# KiCad board BAGEL-MK1.1-revA.kicad_pcb
title: BAGEL Switch MK1.1; date: 2026-01-25; rev: Avocado; company: Illinois Space Society; note: Contributors: Thomas McManamen, Lucas Lessard, Chethan Karandikar
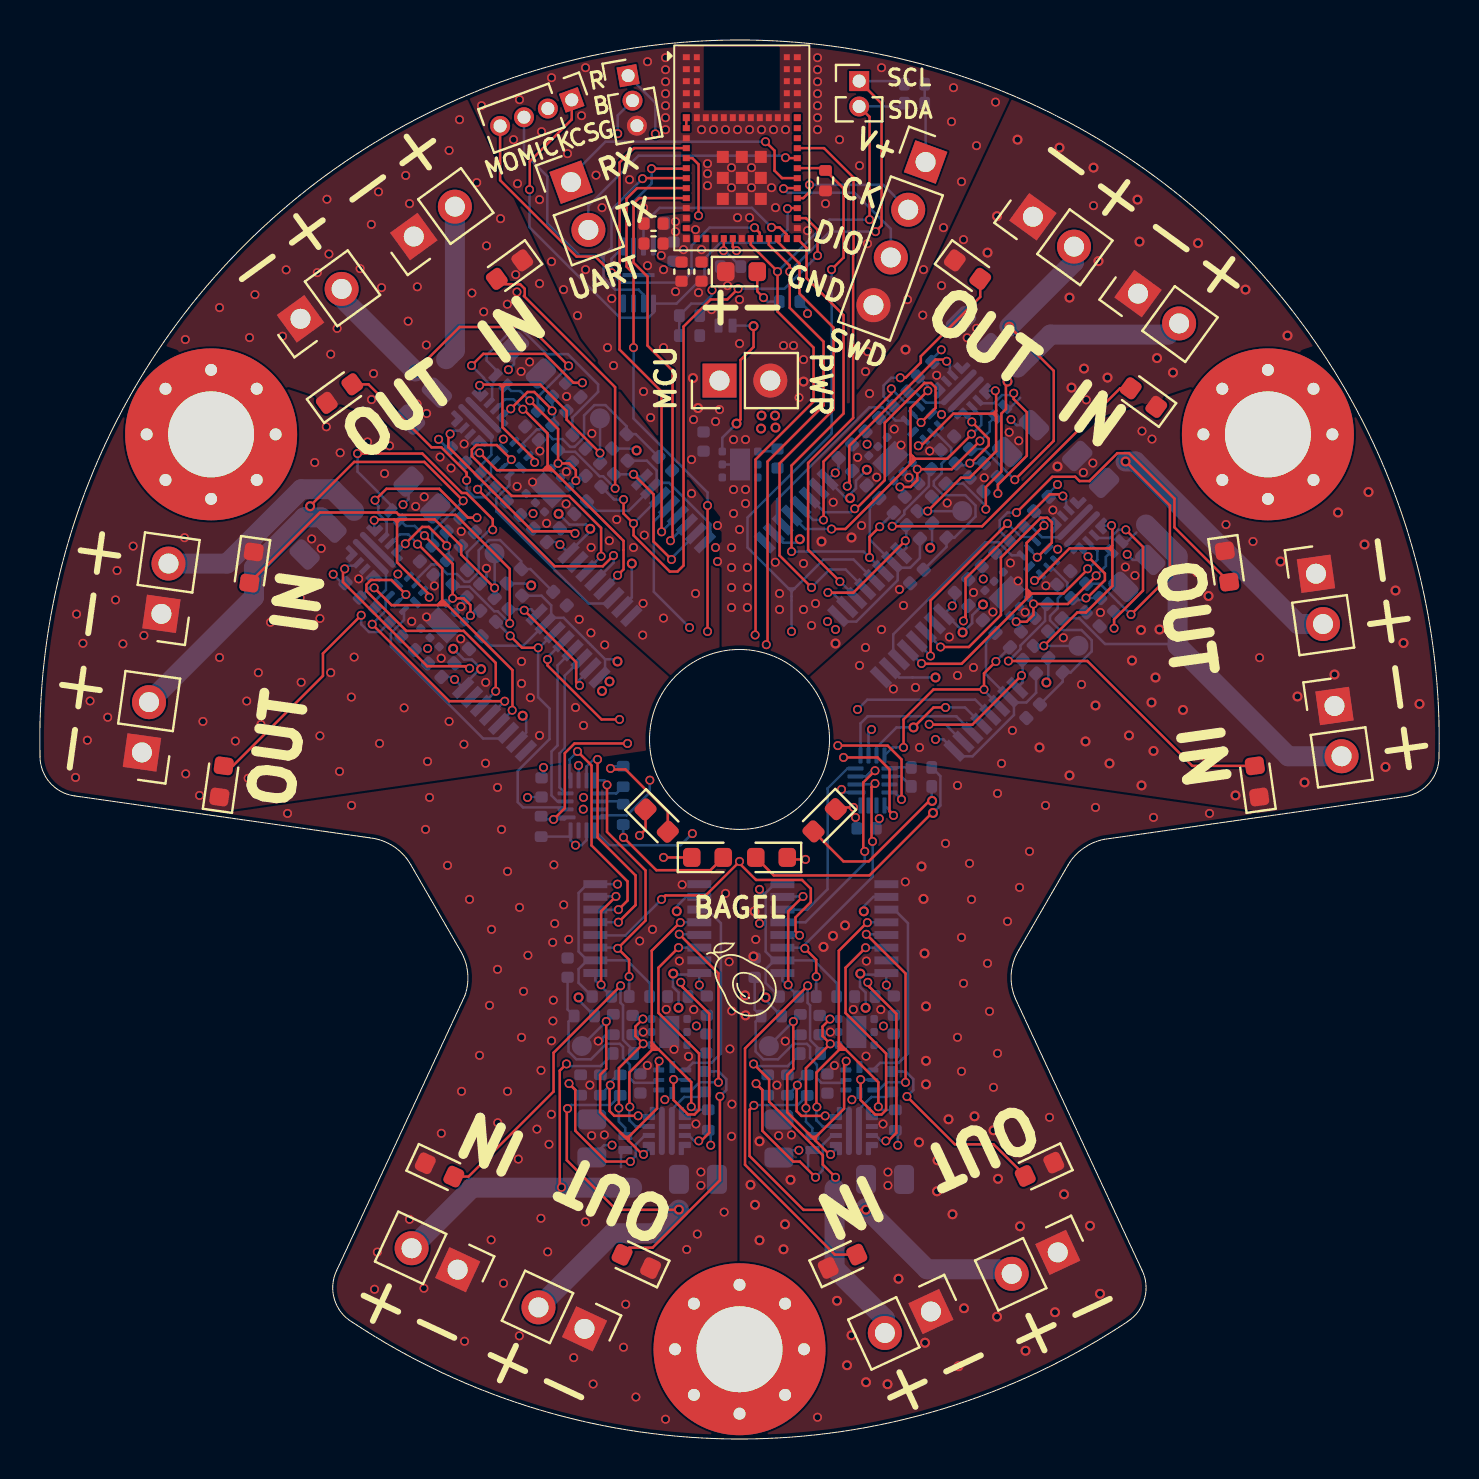
[diagram p0: board, top side]
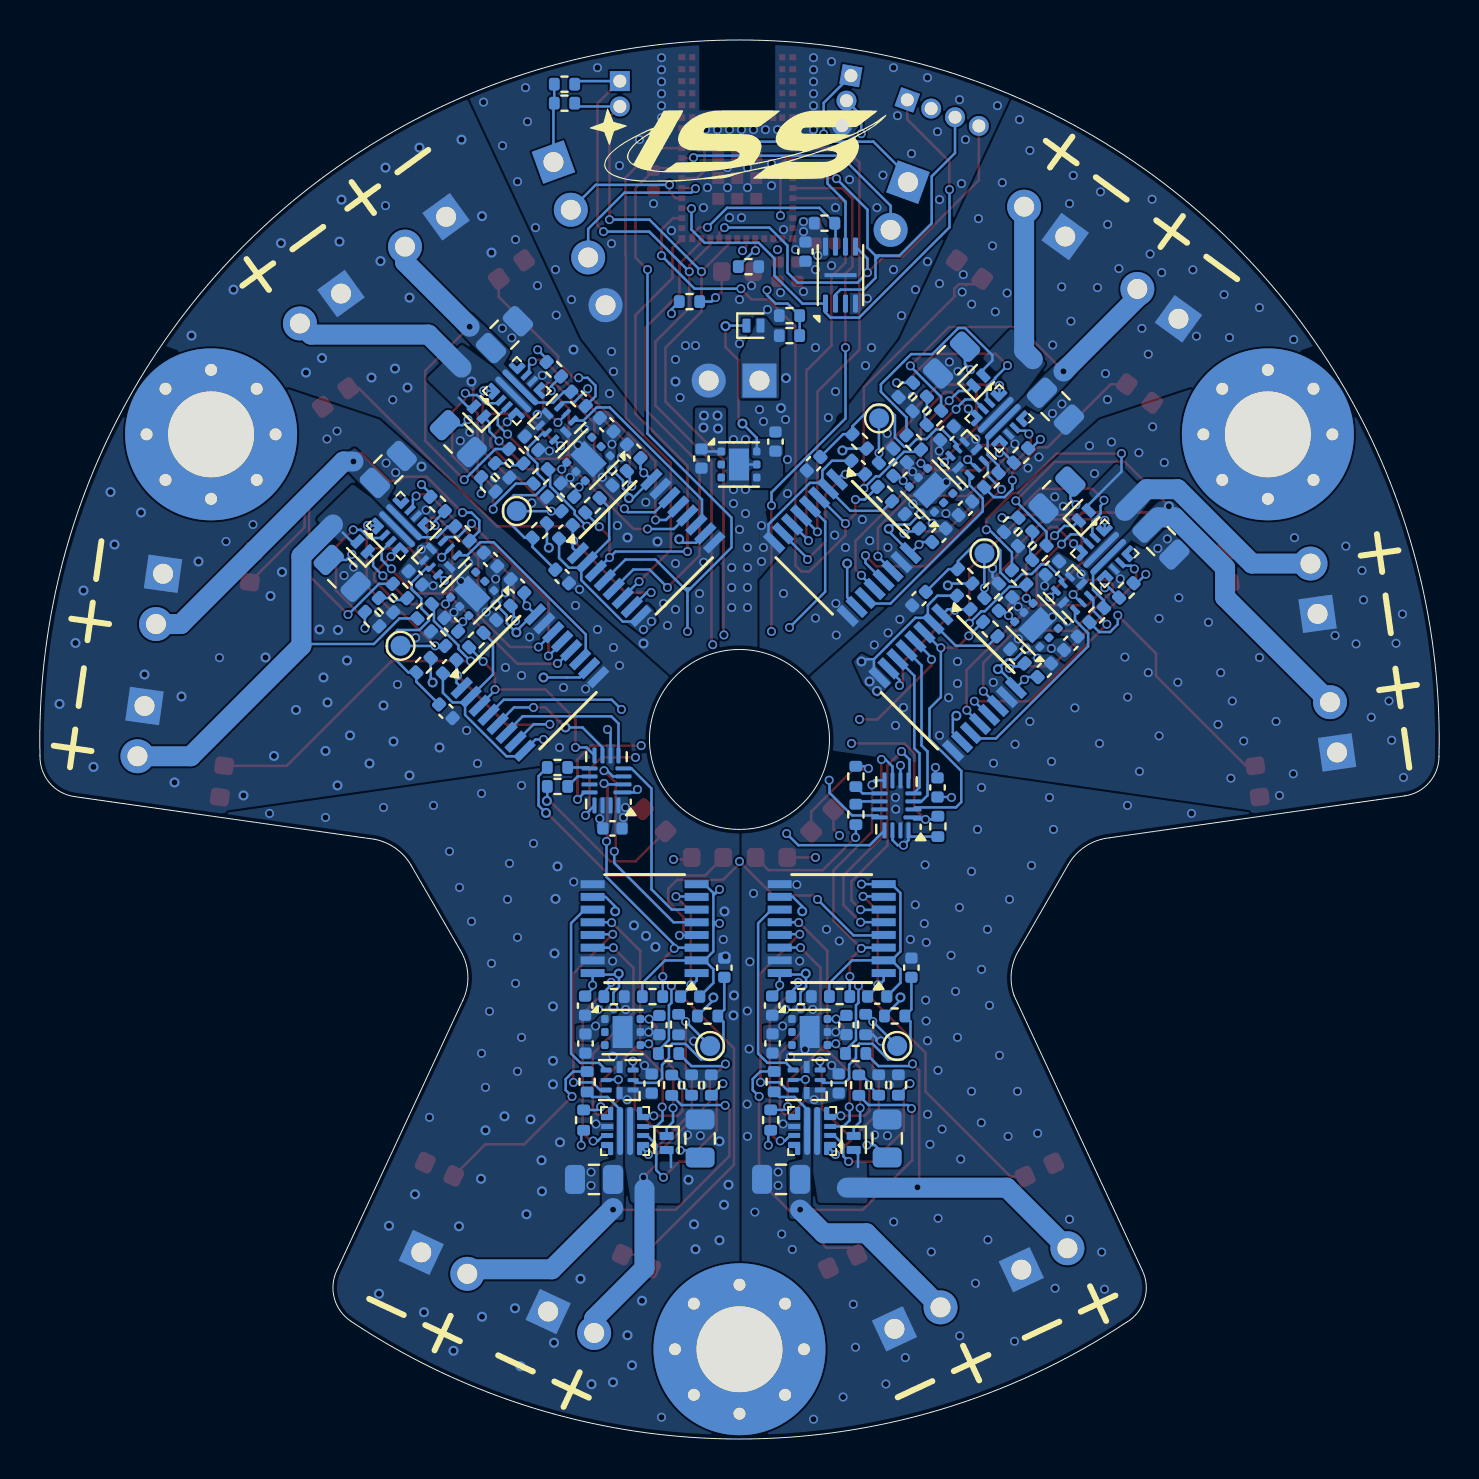
[diagram p1: board, bottom side, seen from below]

Outline 69.95 x 69.98 mm; copper layers: Top, In1.Cu, In2.Cu, Bottom. Coordinates in mm from the lower left corner of the outline.
Outline path: circle c34.98,34.99 r4.5 ; 0,34.15 arc(34.96,69.98) 69.95,34.17 arc(69.48,32.82) 68.22,32.13 53.22,30 arc(52.17,29.55) 51.41,28.71 ; 0,34.15 arc(0.49,32.83) 1.73,32.17 16.47,30.07 arc(17.66,29.65) 18.53,28.73 ; 18.53,28.73 21.01,24.44 arc(21.38,23.34) 21.24,22.18 14.83,8.43 arc(14.72,6.97) 15.63,5.83 arc(35.03,0) 54.4,5.89 ; 51.41,28.71 48.94,24.46 arc(48.56,23.22) 48.81,21.95 55.09,8.46 arc(55.24,7.04) 54.4,5.89
Stack: Top 0.035mm / dielectric 0.2104mm FR4 er 4.5 / In1.Cu 0.0152mm / dielectric 1.065mm FR4 er 4.5 / In2.Cu 0.0152mm / dielectric 0.2104mm FR4 er 4.5 / Bottom 0.035mm

## Placement (name value [footprint] x y rotation side)
C101  100nF  [C_0402_1005Metric]  32.08 58.39 270 top
C102  4.7uF  [C_0402_1005Metric]  30.68 59.79 180 top
C103  100nF  [C_0402_1005Metric]  30.68 60.79 180 top
C104  100nF  [C_0402_1005Metric]  31.68 59.39 270 bottom
C105  100nF  [C_0402_1005Metric]  33.08 58.39 270 top
C106  1uF  [C_0402_1005Metric]  33.18 49.89 90 bottom
C107  2.2uF  [C_0402_1005Metric]  36.88 49.04 270 bottom
C108  100nF  [C_0402_1005Metric]  41.33 30.54 180 bottom
C109  100nF  [C_0402_1005Metric]  25.08 32.59 90 bottom
C201  100nF  [C_0402_1005Metric]  40.27 49.41 45 bottom
C202  100nF  [C_0402_1005Metric]  43.66 45.37 315 bottom
C203  100nF  [C_0402_1005Metric]  45.37 49.81 225 bottom
C204  1uF  [C_0402_1005Metric]  43.58 47.47 45 bottom
C205  2.2uF  [C_0402_1005Metric]  41.62 50.73 45 bottom
C206  100uF  [C_0805_2012Metric]  49.03 50.04 225 bottom
C207  100nF  [C_0402_1005Metric]  43.85 43.14 45 bottom
C208  22uF  [C_0805_2012Metric]  46.73 55.24 135 bottom
C301  100nF  [C_0402_1005Metric]  51.18 43.07 225 bottom
C302  100nF  [C_0402_1005Metric]  49.47 38.63 315 bottom
C303  100nF  [C_0402_1005Metric]  47.43 43.99 45 bottom
C304  1uF  [C_0402_1005Metric]  49.39 40.73 45 bottom
C305  2.2uF  [C_0402_1005Metric]  46.08 42.67 45 bottom
C306  100uF  [C_0805_2012Metric]  54.84 43.3 225 bottom
C307  100nF  [C_0402_1005Metric]  49.66 36.4 45 bottom
C308  22uF  [C_0805_2012Metric]  52.54 48.5 135 bottom
C401  100nF  [C_0402_1005Metric]  39.37 17.78 90 bottom
C402  100nF  [C_0402_1005Metric]  37.45 22.13 180 bottom
C403  100nF  [C_0402_1005Metric]  42.68 19.78 270 bottom
C404  1uF  [C_0402_1005Metric]  38.98 20.7 270 bottom
C405  2.2uF  [C_0402_1005Metric]  42.7 21.67 270 bottom
C406  100uF  [C_0805_2012Metric]  36.95 15.03 90 bottom
C407  100nF  [C_0402_1005Metric]  35.73 23.57 270 bottom
C408  22uF  [C_0805_2012Metric]  42.25 12.98 0 bottom
C501  100nF  [C_0402_1005Metric]  33.34 21.68 270 bottom
C502  100nF  [C_0402_1005Metric]  28.09 22.13 180 bottom
C503  100nF  [C_0402_1005Metric]  30.02 17.78 90 bottom
C504  1uF  [C_0402_1005Metric]  29.63 20.71 270 bottom
C505  2.2uF  [C_0402_1005Metric]  33.32 19.79 270 bottom
C506  100uF  [C_0805_2012Metric]  27.59 15.03 90 bottom
C507  100nF  [C_0402_1005Metric]  26.38 23.58 270 bottom
C508  22uF  [C_0805_2012Metric]  32.9 12.99 0 bottom
C601  100nF  [C_0402_1005Metric]  19.73 38.45 135 bottom
C602  100nF  [C_0402_1005Metric]  23.77 41.84 45 bottom
C603  100nF  [C_0402_1005Metric]  19.33 43.56 315 bottom
C604  1uF  [C_0402_1005Metric]  21.67 41.76 135 bottom
C605  2.2uF  [C_0402_1005Metric]  18.41 39.8 135 bottom
C606  100uF  [C_0805_2012Metric]  19.1 47.22 315 bottom
C607  100nF  [C_0402_1005Metric]  26 42.03 135 bottom
C608  22uF  [C_0805_2012Metric]  13.9 44.91 225 bottom
C701  100nF  [C_0402_1005Metric]  24.6 50.31 315 bottom
C702  100nF  [C_0402_1005Metric]  29.04 48.59 45 bottom
C703  100nF  [C_0402_1005Metric]  23.68 46.55 135 bottom
C704  1uF  [C_0402_1005Metric]  26.94 48.51 135 bottom
C705  2.2uF  [C_0402_1005Metric]  25.01 45.2 135 bottom
C706  100uF  [C_0805_2012Metric]  24.37 53.97 315 bottom
C707  100nF  [C_0402_1005Metric]  31.27 48.78 135 bottom
C708  22uF  [C_0805_2012Metric]  19.17 51.66 225 bottom
D101  SDM05U40CSP-7  [D_SOD-882]  34.28 55.69 180 bottom
D102  RED  [LED_0603_1608Metric]  35.08 58.39 0 top
D103  RED  [LED_0603_1608Metric]  36.58 29.09 180 top
D104  ORANGE  [LED_0603_1608Metric]  39.23 30.95 225 top
D105  GREEN  [LED_0603_1608Metric]  30.83 30.93 315 top
D106  BLUE  [LED_0603_1608Metric]  33.38 29.09 0 top
D201  SDM05U40CSP-7  [D_SOD-882]  48.01 51.38 45 bottom
D202  RED  [LED_0603_1608Metric]  55.18 52.09 144 top
D203  GREEN  [LED_0603_1608Metric]  46.38 58.49 324 top
D301  SDM05U40CSP-7  [D_SOD-882]  53.82 44.64 45 bottom
D302  RED  [LED_0603_1608Metric]  60.85 32.89 98 top
D303  GREEN  [LED_0603_1608Metric]  59.35 43.64 278 top
D401  SDM05U40CSP-7  [D_SOD-882]  38.62 14.8 270 bottom
D402  RED  [LED_0603_1608Metric]  40.13 8.89 25 top
D403  GREEN  [LED_0603_1608Metric]  49.98 13.49 205 top
D501  SDM05U40CSP-7  [D_SOD-882]  29.27 14.81 270 bottom
D502  RED  [LED_0603_1608Metric]  19.98 13.46 335 top
D503  GREEN  [LED_0603_1608Metric]  29.82 8.88 155 top
D601  SDM05U40CSP-7  [D_SOD-882]  17.76 46.19 135 bottom
D602  RED  [LED_0603_1608Metric]  10.58 43.59 262 top
D603  GREEN  [LED_0603_1608Metric]  9.08 32.89 82 top
D701  SDM05U40CSP-7  [D_SOD-882]  23.03 52.94 135 bottom
D702  RED  [LED_0603_1608Metric]  23.48 58.49 216 top
D703  GREEN  [LED_0603_1608Metric]  14.98 52.29 36 top
G***  LOGO  [avocado]  34.98 22.99 45 top
G***#2  LOGO  [ISS_LOGOV2_tiny]  35.08 64.69 180 bottom
H101  MountingHole_Pad  [MountingHole_4.3mm_M4_Pad_Via]  61.4 50.25 0 top
H102  MountingHole_Pad  [MountingHole_4.3mm_M4_Pad_Via]  34.98 4.49 0 top
H103  MountingHole_Pad  [MountingHole_4.3mm_M4_Pad_Via]  8.56 50.25 0 top
J101  Conn_01x02  [PinHeader_1x02_P2.54mm_Vertical]  54.9 57.29 54 top
J102  Conn_01x02  [PinHeader_1x02_P2.54mm_Vertical]  49.65 61.13 54 top
J103  Conn_01x02  [PinHeader_1x02_P2.54mm_Vertical]  64.73 36.67 8 top
J104  Conn_01x02  [PinHeader_1x02_P2.54mm_Vertical]  63.8 43.28 8 top
J105  Conn_01x02  [PinHeader_1x02_P2.54mm_Vertical]  44.55 6.38 295 top
J106  Conn_01x02  [PinHeader_1x02_P2.54mm_Vertical]  50.89 9.34 295 top
J107  Conn_01x03  [PinHeader_1x03_P1.27mm_Vertical]  29.41 68.19 10 top
J108  Conn_01x04  [PinHeader_1x04_P2.54mm_Vertical]  44.28 63.87 340 top
J109  Conn_01x02  [PinHeader_1x02_P2.54mm_Vertical]  33.98 52.94 90 top
J110  Conn_01x02  [PinHeader_1x02_P2.54mm_Vertical]  26.55 62.87 20 top
J111  Conn_01x02  [PinHeader_1x02_P1.27mm_Vertical]  40.96 67.92 0 top
J112  Conn_01x04  [PinHeader_1x04_P1.27mm_Vertical]  26.59 66.98 290 top
J113  Conn_01x02  [PinHeader_1x02_P2.54mm_Vertical]  20.88 8.47 245 top
J114  Conn_01x02  [PinHeader_1x02_P2.54mm_Vertical]  27.23 5.51 245 top
J115  Conn_01x02  [PinHeader_1x02_P2.54mm_Vertical]  6.07 41.27 172 top
J116  Conn_01x02  [PinHeader_1x02_P2.54mm_Vertical]  5.1 34.34 172 top
J117  Conn_01x02  [PinHeader_1x02_P2.54mm_Vertical]  18.69 60.14 126 top
J118  Conn_01x02  [PinHeader_1x02_P2.54mm_Vertical]  13.03 56.03 126 top
J201  Conn_01x01  [TestPoint_Pad_D1.0mm]  46.11 46.41 135 bottom
J301  Conn_01x01  [TestPoint_Pad_D1.0mm]  51.92 39.67 135 bottom
J401  Conn_01x01  [TestPoint_Pad_D1.0mm]  36.45 19.65 0 bottom
J501  Conn_01x01  [TestPoint_Pad_D1.0mm]  27.09 19.66 0 bottom
J601  Conn_01x01  [TestPoint_Pad_D1.0mm]  22.73 44.3 225 bottom
J701  Conn_01x01  [TestPoint_Pad_D1.0mm]  28 51.05 225 bottom
R101  10k  [R_0402_1005Metric]  30.73 60.82 180 bottom
R102  10k  [R_0402_1005Metric]  34.53 58.64 0 bottom
R103  10k  [R_0402_1005Metric]  25.06 30.64 270 bottom
R104  4.7k  [R_0402_1005Metric]  37.48 56.89 0 bottom
R105  4.7k  [R_0402_1005Metric]  44.08 33.59 0 bottom
R106  4.7k  [R_0402_1005Metric]  44.08 32.64 0 bottom
R107  4.7k  [R_0402_1005Metric]  29.16 33.14 90 bottom
R108  4.7k  [R_0402_1005Metric]  29.16 31.24 270 bottom
R109  4.7k  [R_0402_1005Metric]  43.73 66.82 0 bottom
R110  100k  [R_0402_1005Metric]  32.48 55.19 0 bottom
R111  100k  [R_0402_1005Metric]  32.48 56.19 180 bottom
R112  4.7k  [R_0402_1005Metric]  43.73 67.77 0 bottom
R113  10k  [R_0402_1005Metric]  39.28 62.94 90 top
R201  10k  [R_0402_1005Metric]  42.33 46.7 135 bottom
R202  10k  [R_0402_1005Metric]  44.24 46.77 225 bottom
R203  4.7k  [R_0402_1005Metric]  44.91 48.15 135 bottom
R204  10k  [R_0402_1005Metric]  44.96 45.44 315 bottom
R205  10k  [R_0402_1005Metric]  44.26 53.51 225 bottom
R206  680  [R_0402_1005Metric]  40.97 48.06 135 bottom
R207  390k  [R_0402_1005Metric]  47.54 47.75 225 bottom
R208  300k  [R_0402_1005Metric]  46.14 49.16 225 bottom
R209  500k  [R_0402_1005Metric]  46.84 48.45 225 bottom
R210  1k  [R_0402_1005Metric]  43.03 52.03 225 bottom
R301  10k  [R_0402_1005Metric]  48.14 39.96 135 bottom
R302  10k  [R_0402_1005Metric]  50.05 40.03 225 bottom
R303  4.7k  [R_0402_1005Metric]  50.72 41.41 135 bottom
R304  10k  [R_0402_1005Metric]  50.77 38.7 315 bottom
R305  10k  [R_0402_1005Metric]  50.07 46.77 225 bottom
R306  680  [R_0402_1005Metric]  46.78 41.32 135 bottom
R307  390k  [R_0402_1005Metric]  53.35 41.01 225 bottom
R308  300k  [R_0402_1005Metric]  51.95 42.42 225 bottom
R309  500k  [R_0402_1005Metric]  52.65 41.71 225 bottom
R310  1k  [R_0402_1005Metric]  48.84 45.29 225 bottom
R401  10k  [R_0402_1005Metric]  39.33 22.13 0 bottom
R402  10k  [R_0402_1005Metric]  38.02 20.73 90 bottom
R403  4.7k  [R_0402_1005Metric]  38.52 19.28 0 bottom
R404  10k  [R_0402_1005Metric]  36.57 21.15 180 bottom
R405  10k  [R_0402_1005Metric]  42.77 15.95 90 bottom
R406  680  [R_0402_1005Metric]  41.25 22.13 0 bottom
R407  390k  [R_0402_1005Metric]  36.39 17.7 90 bottom
R408  300k  [R_0402_1005Metric]  38.36 17.7 90 bottom
R409  500k  [R_0402_1005Metric]  37.37 17.7 90 bottom
R410  1k  [R_0402_1005Metric]  42.6 17.87 90 bottom
R501  10k  [R_0402_1005Metric]  29.97 22.13 0 bottom
R502  10k  [R_0402_1005Metric]  28.67 20.73 90 bottom
R503  4.7k  [R_0402_1005Metric]  29.17 19.28 0 bottom
R504  10k  [R_0402_1005Metric]  27.22 21.16 180 bottom
R505  10k  [R_0402_1005Metric]  33.42 15.95 90 bottom
R506  680  [R_0402_1005Metric]  31.89 22.13 0 bottom
R507  390k  [R_0402_1005Metric]  27.03 17.71 90 bottom
R508  300k  [R_0402_1005Metric]  29.01 17.7 90 bottom
R509  500k  [R_0402_1005Metric]  28.02 17.71 90 bottom
R510  1k  [R_0402_1005Metric]  33.24 17.87 90 bottom
R601  10k  [R_0402_1005Metric]  22.44 40.51 225 bottom
R602  10k  [R_0402_1005Metric]  22.37 42.43 315 bottom
R603  4.7k  [R_0402_1005Metric]  20.99 43.1 225 bottom
R604  10k  [R_0402_1005Metric]  23.7 43.15 45 bottom
R605  10k  [R_0402_1005Metric]  15.63 42.45 315 bottom
R606  680  [R_0402_1005Metric]  21.08 39.16 225 bottom
R607  390k  [R_0402_1005Metric]  21.39 45.72 315 bottom
R608  300k  [R_0402_1005Metric]  19.98 44.33 315 bottom
R609  500k  [R_0402_1005Metric]  20.69 45.02 315 bottom
R610  1k  [R_0402_1005Metric]  17.11 41.21 315 bottom
R701  10k  [R_0402_1005Metric]  27.71 47.26 225 bottom
R702  10k  [R_0402_1005Metric]  27.64 49.17 315 bottom
R703  4.7k  [R_0402_1005Metric]  26.26 49.85 225 bottom
R704  10k  [R_0402_1005Metric]  28.97 49.9 45 bottom
R705  10k  [R_0402_1005Metric]  20.91 49.2 315 bottom
R706  680  [R_0402_1005Metric]  26.35 45.9 225 bottom
R707  390k  [R_0402_1005Metric]  26.66 52.47 315 bottom
R708  300k  [R_0402_1005Metric]  25.26 51.08 315 bottom
R709  500k  [R_0402_1005Metric]  25.96 51.77 315 bottom
R710  1k  [R_0402_1005Metric]  22.39 47.96 315 bottom
U101  W25Q16JLUX  [Winbond_USON-8-1EP_3x2mm_P0.5mm_EP0.2x1.6mm]  29.93 58.22 90 bottom
U102  STM32WB1MMC  [LGA77_6P5X10_STM]  35.09 64.58 0 top
U103  TPS7A25  [WSON-6-1EP_2x2mm_P0.65mm_EP1x1.6mm]  35 48.74 180 bottom
U104  TCAL9538  [UQFN-16_1.8x2.6mm_P0.4mm]  41.63 32.94 0 bottom
U105  TCAL9538  [UQFN-16_1.8x2.6mm_P0.4mm]  27.13 31.69 0 bottom
U201  ISO7742  [SSOP-16_3.9x4.9mm_P0.635mm]  39.65 44.58 135 bottom
U202  SN74AUP1G74RSER  [UQFN-RSE0008A]  44.12 50.82 135 bottom
U203  TPS7A25  [WSON-6-1EP_2x2mm_P0.65mm_EP1x1.6mm]  42.53 49.01 315 bottom
U204  TPS25947  [VQFN-HR-RPW0010A]  46.11 52.42 135 bottom
U301  ISO7742  [SSOP-16_3.9x4.9mm_P0.635mm]  45.46 37.84 135 bottom
U302  SN74AUP1G74RSER  [UQFN-RSE0008A]  49.93 44.08 135 bottom
U303  TPS7A25  [WSON-6-1EP_2x2mm_P0.65mm_EP1x1.6mm]  48.34 42.27 315 bottom
U304  TPS25947  [VQFN-HR-RPW0010A]  51.92 45.68 135 bottom
U401  ISO7742  [SSOP-16_3.9x4.9mm_P0.635mm]  39.72 25.53 0 bottom
U402  SN74AUP1G74RSER  [UQFN-RSE0008A]  40.97 17.95 0 bottom
U403  TPS7A25  [WSON-6-1EP_2x2mm_P0.65mm_EP1x1.6mm]  40.82 20.35 180 bottom
U404  TPS25947  [VQFN-HR-RPW0010A]  40.7 15.4 0 bottom
U501  ISO7742  [SSOP-16_3.9x4.9mm_P0.635mm]  30.37 25.53 0 bottom
U502  SN74AUP1G74RSER  [UQFN-RSE0008A]  31.62 17.96 0 bottom
U503  TPS7A25  [WSON-6-1EP_2x2mm_P0.65mm_EP1x1.6mm]  31.47 20.36 180 bottom
U504  TPS25947  [VQFN-HR-RPW0010A]  31.34 15.41 0 bottom
U601  ISO7742  [SSOP-16_3.9x4.9mm_P0.635mm]  24.56 37.83 225 bottom
U602  SN74AUP1G74RSER  [UQFN-RSE0008A]  18.32 42.3 225 bottom
U603  TPS7A25  [WSON-6-1EP_2x2mm_P0.65mm_EP1x1.6mm]  20.13 40.71 45 bottom
U604  TPS25947  [VQFN-HR-RPW0010A]  16.72 44.3 225 bottom
U701  ISO7742  [SSOP-16_3.9x4.9mm_P0.635mm]  29.83 44.58 225 bottom
U702  SN74AUP1G74RSER  [UQFN-RSE0008A]  23.6 49.05 225 bottom
U703  TPS7A25  [WSON-6-1EP_2x2mm_P0.65mm_EP1x1.6mm]  25.4 47.46 45 bottom
U704  TPS25947  [VQFN-HR-RPW0010A]  21.99 51.05 225 bottom

## Library data of the parts
C101-C109 C201-C208 C301-C308 C401-C408 C501-C508 C601-C608 C701-C708 = -: Description: Unpolarized capacitor; ki_fp_filters: C_*
D101 D201 D301 D401 D501 D601 D701 = -: Datasheet: https://www.diodes.com/assets/Datasheets/ds30396.pdf; Description: 75V 0.15A Fast switching Diode, SOD-523; Sim.Device: D; Sim.Pins: 1=K 2=A; ki_fp_filters: D*SOD?523*
D102-D106 D202 D203 D302 D303 D402 D403 D502 D503 D602 D603 D702 D703 = -: Description: Light emitting diode; Sim.Pins: 1=K 2=A; ki_fp_filters: LED* LED_SMD:* LED_THT:*
H101-H103 = -: Description: Mounting Hole with connection; ki_fp_filters: MountingHole*Pad*
J101-J106 J109-J111 J113-J118 = -: Description: Generic connector, single row, 01x02, script generated (kicad-library-utils/schlib/autogen/connector/); ki_fp_filters: Connector*:*_1x??_*
J107 = -: Description: Generic connector, single row, 01x03, script generated (kicad-library-utils/schlib/autogen/connector/); ki_fp_filters: Connector*:*_1x??_*
J108 J112 = -: Description: Generic connector, single row, 01x04, script generated (kicad-library-utils/schlib/autogen/connector/); ki_fp_filters: Connector*:*_1x??_*
J201 J301 J401 J501 J601 J701 = -: Description: Generic connector, single row, 01x01, script generated (kicad-library-utils/schlib/autogen/connector/); ki_fp_filters: Connector*:*_1x??_*
R101 R103 R109 R112 R113 = -: ki_fp_filters: R_*
R102 R104-R108 R110 R111 R201-R210 R301-R310 R401-R410 R501-R510 R601-R610 R701-R710 = -: Description: Resistor, US symbol; ki_fp_filters: R_*
U101 = -: Datasheet: https://www.winbond.com/resource-files/w25q16jl%20revd%2001262018.pdf; Description: 16Mbit / 2MiB Serial Flash Memory, Standard/Dual/Quad SPI, 2.7-3.6V, SOIC-8 (208 mil); ki_fp_filters: *SOIC*5.3x5.3mm*P1.27mm*
U102 = -: Datasheet: https://www.st.com/resource/en/datasheet/stm32wb1mmc.pdf; Description: STM32 Bluetooth Low Energy 5.4 Module, ARM Cortex M0/M4; ki_fp_filters: LGA77_6P5X10_STM
U103 U203 U303 U403 U503 U603 U703 = -: Datasheet: https://www.ti.com/lit/ds/symlink/tps7a25.pdf; Description: 300mA, 18-V, Ultra-Low IQ, Low-Dropout Linear Voltage Regulator With Power-Good, WSON-6; Height: 0.6; Mouser Part Number: 865-XC6223T331GR-G; Mouser Price/Stock: https://www.mouser.co.uk/ProductDetail/Torex-Semiconductor/XC6223T331GR-G?qs=AsjdqWjXhJ9pIYh2kurybQ%3D%3D; Manufacturer_Name: Torex; Manufacturer_Part_Number: XC6223T331GR-G
U104 U105 = -: Datasheet: https://www.ti.com/lit/ds/symlink/tcal9538.pdf; Description: 8-Bit I2C-Bus, SMBus I/O Expander With Interrupt Output, Reset, and Agile I/O Configuration Registers; ki_fp_filters: UQFN16_RSV_TEX
U201 U301 U401 U501 U601 U701 = -: Datasheet: https://www.ti.com/lit/ds/symlink/iso7742-q1.pdf; Description: High-Speed, Robust-EMC Reinforced and Basic Quad-Channel Digital Isolator, SSOP-16; ki_fp_filters: DBQ16_TEX DBQ16_TEX-M DBQ16_TEX-L
U202 U302 U402 U502 U602 U702 = -: Datasheet: https://www.ti.com/lit/ds/symlink/sn74aup1g74.pdf; Description: Low-Power Single Positive-Edge-Triggered D-Type Flip-Flop With Clear and Preset, UQFN-8; Height: 0.6; Mouser Part Number: 595-SN74AUP1G74RSER; Mouser Price/Stock: https://www.mouser.co.uk/ProductDetail/Texas-Instruments/SN74AUP1G74RSER?qs=EuM%2FBx4ov4RGFdXbpZrTyw%3D%3D; Manufacturer_Name: Texas Instruments
U204 U304 U404 U504 U604 U704 = -: Datasheet: https://www.ti.com/lit/ds/symlink/tps25947.pdf; Description: 2.7V - 23V, 5.5A, 28mOhm, eFuse, Reversue Current and Polarity Blocking, Current Limiting, VQFN-HR

## Footprints (pads in the part's own frame, mm; a bottom-side part is the same pattern mirrored in y, then rotated)
C_0402_1005Metric
  rrect 0.56x0.62 smd: 1(-0.48,0) 2(0.48,0)
C_0805_2012Metric
  rrect 1x1.45 smd: 1(-0.95,0) 2(0.95,0)
D_SOD-882
  rrect 0.3x0.6 smd: (-0.35,0) (0.35,0)
  rrect 0.4x0.7 smd: 1(-0.35,0) 2(0.35,0)
LED_0603_1608Metric
  rrect 0.875x0.95 smd: 1(-0.787,0) 2(0.787,0)
LGA77_6P5X10_STM
  rect 0.35x0.3 smd: 1(-2.775,4.537) 2(-2.775,3.938) 3(-2.775,3.337) 4(-2.775,2.737) 5(-2.775,2.138) 7(-2.775,0.988) 8(-2.775,0.487) 9(-2.775,-0.013) 10(-2.775,-0.512) 11(-2.775,-1.012) 12(-2.775,-1.512) 13(-2.775,-2.013) 14(-2.775,-2.513) 15(-2.775,-3.013) 16(-2.775,-3.513) 17(-2.775,-4.013) 31(2.775,-4.013) 32(2.775,-3.513) 33(2.775,-3.013) 34(2.775,-2.513) 35(2.775,-2.013) 36(2.775,-1.512) 37(2.775,-1.012) 38(2.775,-0.512) 39(2.775,-0.013) 40(2.775,0.487) 41(2.775,0.988) 43(2.775,2.138) 44(2.775,2.737) 45(2.775,3.337) 46(2.775,3.938) 47(2.775,4.537)
  rect 0.35x0.35 smd: 6(-2.775,1.512) 18(-2.775,-4.537) 30(2.775,-4.537) 42(2.775,1.512)
  rect 0.3x0.35 smd: 19(-2.25,-4.537) 20(-1.8,-4.537) 21(-1.35,-4.537) 22(-0.9,-4.537) 23(-0.45,-4.537) 24(0,-4.537) 25(0.45,-4.537) 26(0.9,-4.537) 27(1.35,-4.537) 28(1.8,-4.537) 29(2.25,-4.537) 53(2.25,1.512) 54(1.8,1.512) 55(1.35,1.512) 56(0.9,1.512) 57(0.45,1.512) 58(0,1.512) 59(-0.45,1.512) 60(-0.9,1.512) 61(-1.35,1.512) 62(-1.8,1.512) 63(-2.25,1.512)
  rect 0.3x0.3 smd: 48(2.25,4.537) 49(2.25,3.938) 50(2.25,3.337) 51(2.25,2.737) 52(2.25,2.138) 64(-2.25,2.138) 65(-2.25,2.737) 66(-2.25,3.337) 67(-2.25,3.938) 68(-2.25,4.537)
  rect 0.6x0.6 smd: 69(-0.95,-0.45) 70(-0.95,-1.5) 71(-0.95,-2.55) 72(0,-2.55) 73(0,-1.5) 74(0,-0.45) 75(0.95,-0.45) 76(0.95,-1.5) 77(0.95,-2.55)
MountingHole_4.3mm_M4_Pad_Via
  round 0.9 hole 0.6: 1(-3.225,0) 1(-2.28,2.28) 1(-2.28,-2.28) 1(0,3.225) 1(0,-3.225) 1(2.28,2.28) 1(2.28,-2.28) 1(3.225,0)
  round 8.6 hole 4.3: 1(0,0)
PinHeader_1x02_P1.27mm_Vertical
  rect 1x1 hole 0.65: 1(0,0)
  round 1 hole 0.65: 2(0,-1.27)
PinHeader_1x02_P2.54mm_Vertical
  rect 1.7x1.7 hole 1: 1(0,0)
  round 1.7 hole 1: 2(0,-2.54)
PinHeader_1x03_P1.27mm_Vertical
  rect 1x1 hole 0.65: 1(0,0)
  round 1 hole 0.65: 2(0,-1.27) 3(0,-2.54)
PinHeader_1x04_P1.27mm_Vertical
  rect 1x1 hole 0.65: 1(0,0)
  round 1 hole 0.65: 2(0,-1.27) 3(0,-2.54) 4(0,-3.81)
PinHeader_1x04_P2.54mm_Vertical
  rect 1.7x1.7 hole 1: 1(0,0)
  round 1.7 hole 1: 2(0,-2.54) 3(0,-5.08) 4(0,-7.62)
R_0402_1005Metric
  rrect 0.54x0.64 smd: 1(-0.51,0) 2(0.51,0)
SSOP-16_3.9x4.9mm_P0.635mm
  rect 1.2x0.4 smd: 1(-2.6,2.223) 2(-2.6,1.587) 3(-2.6,0.953) 4(-2.6,0.318) 5(-2.6,-0.318) 6(-2.6,-0.953) 7(-2.6,-1.587) 8(-2.6,-2.223) 9(2.6,-2.223) 10(2.6,-1.587) 11(2.6,-0.953) 12(2.6,-0.318) 13(2.6,0.318) 14(2.6,0.953) 15(2.6,1.587) 16(2.6,2.223)
TestPoint_Pad_D1.0mm
  round 1 smd: 1(0,0)
UQFN-16_1.8x2.6mm_P0.4mm
  rrect 0.9x0.2 smd: 1(-0.8,0.6)
  rrect 0.8x0.2 smd: 2(-0.85,0.2) 3(-0.85,-0.2) 4(-0.85,-0.6) 9(0.85,-0.6) 10(0.85,-0.2) 11(0.85,0.2) 12(0.85,0.6)
  rrect 0.2x0.8 smd: 5(-0.6,-1.25) 6(-0.2,-1.25) 7(0.2,-1.25) 8(0.6,-1.25) 13(0.6,1.25) 14(0.2,1.25) 15(-0.2,1.25) 16(-0.6,1.25)
UQFN-RSE0008A
  rrect 0.55x0.25 smd: 1(-0.675,0.5) 3(-0.675,-0.5) 5(0.675,-0.5) 7(0.675,0.5)
  rrect 0.55x0.2 smd: 2(-0.675,0) 6(0.675,0)
  rrect 0.3x0.6 smd: 4(0,-0.65) 8(0,0.65)
VQFN-HR-RPW0010A
  custom 0.61x0.66 smd: 1(-0.9,0.7) 4(-0.9,-0.7) 7(0.9,-0.7) 10(0.9,0.7)
  rrect 0.6x0.25 smd: 2(-0.9,0.225) 3(-0.9,-0.225) 8(0.9,-0.225) 9(0.9,0.225)
  rrect 0.3x2.4 smd: 5(-0.25,0) 6(0.25,0)
Winbond_USON-8-1EP_3x2mm_P0.5mm_EP0.2x1.6mm
  rrect 0.16x1.29 smd: (0,0)
  rrect 0.9x0.25 smd: 1(-1.425,0.75) 2(-1.425,0.25) 3(-1.425,-0.25) 4(-1.425,-0.75) 5(1.425,-0.75) 6(1.425,-0.25) 7(1.425,0.25) 8(1.425,0.75)
  rect 0.2x1.6 smd: 9(0,0)
WSON-6-1EP_2x2mm_P0.65mm_EP1x1.6mm
  rrect 0.81x0.64 smd: (0,-0.4) (0,0.4)
  rrect 0.375x0.4 smd: 1(-0.887,0.65) 2(-0.887,0) 3(-0.887,-0.65) 4(0.887,-0.65) 5(0.887,0) 6(0.887,0.65)
  rect 1x1.6 smd: 7(0,0)
